# KiCad board SoundLab16StepSequencer.kicad_pcb (continued)
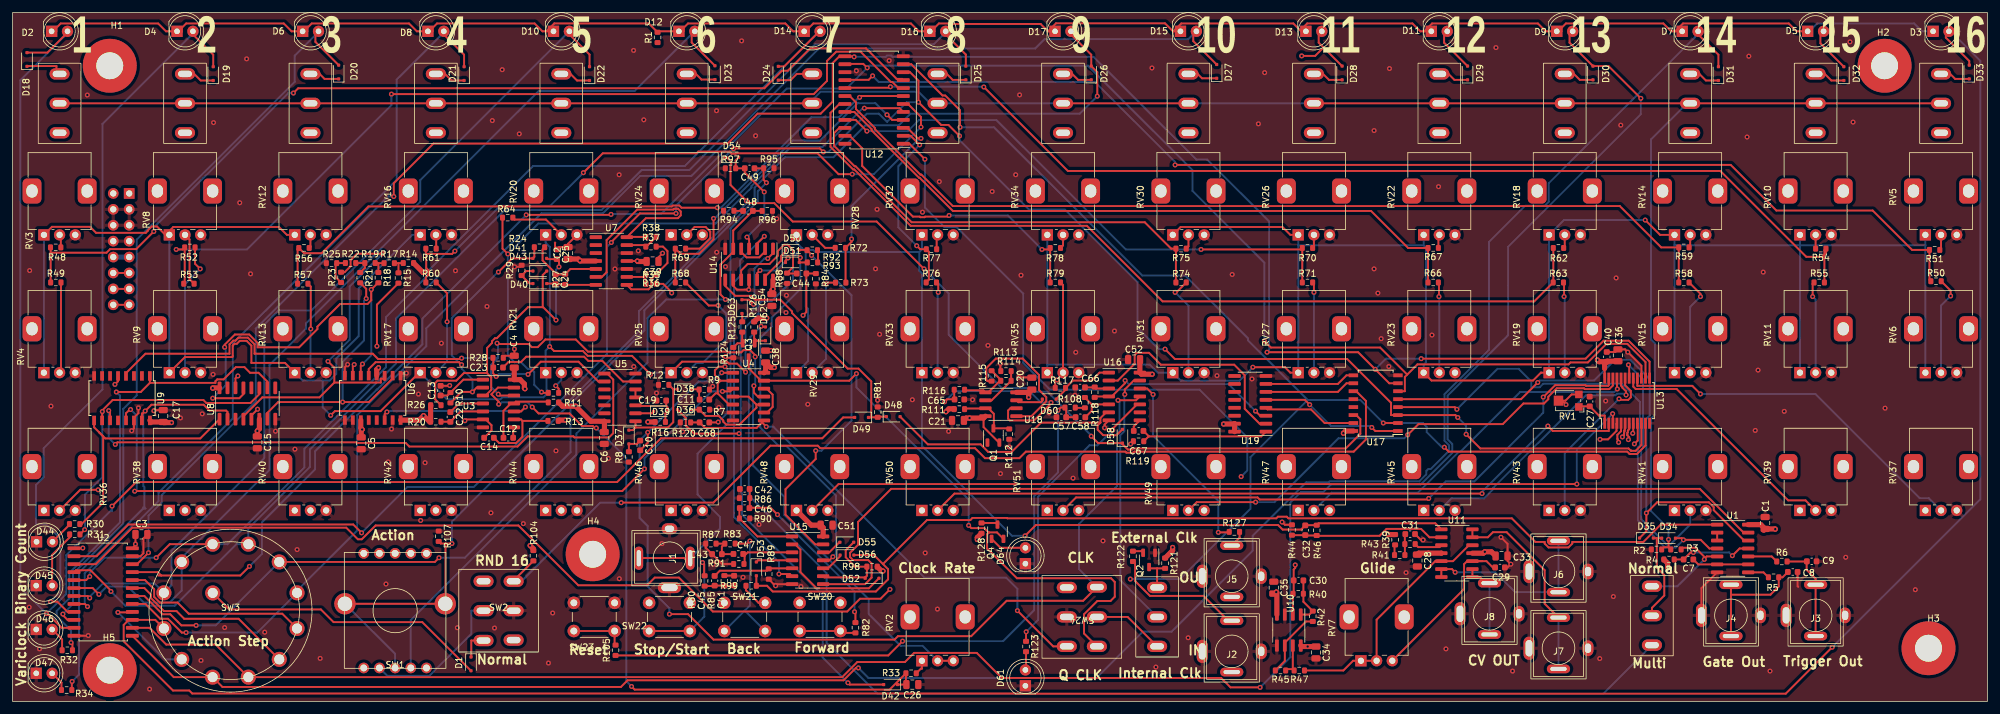
[diagram p0: board, top side]
## Text on the board (continued)
F.Silkscreen: Action Step | Action | RND 16 | Normal | Reset | Stop/Start | Back | Forward | Clock Rate | Q CLK | CLK | External Clk | Internal Clk | OUT | IN | Glide | CV OUT | Multi | Gate Out | Trigger Out | Variclock Binary Count | 1		2		3		4		5		6		7		8		9		10		11		12		13		14		15		16
User.1: 3U 62HP Eurorack
